# KiCad board RoRo60HS.kicad_pcb (continued)
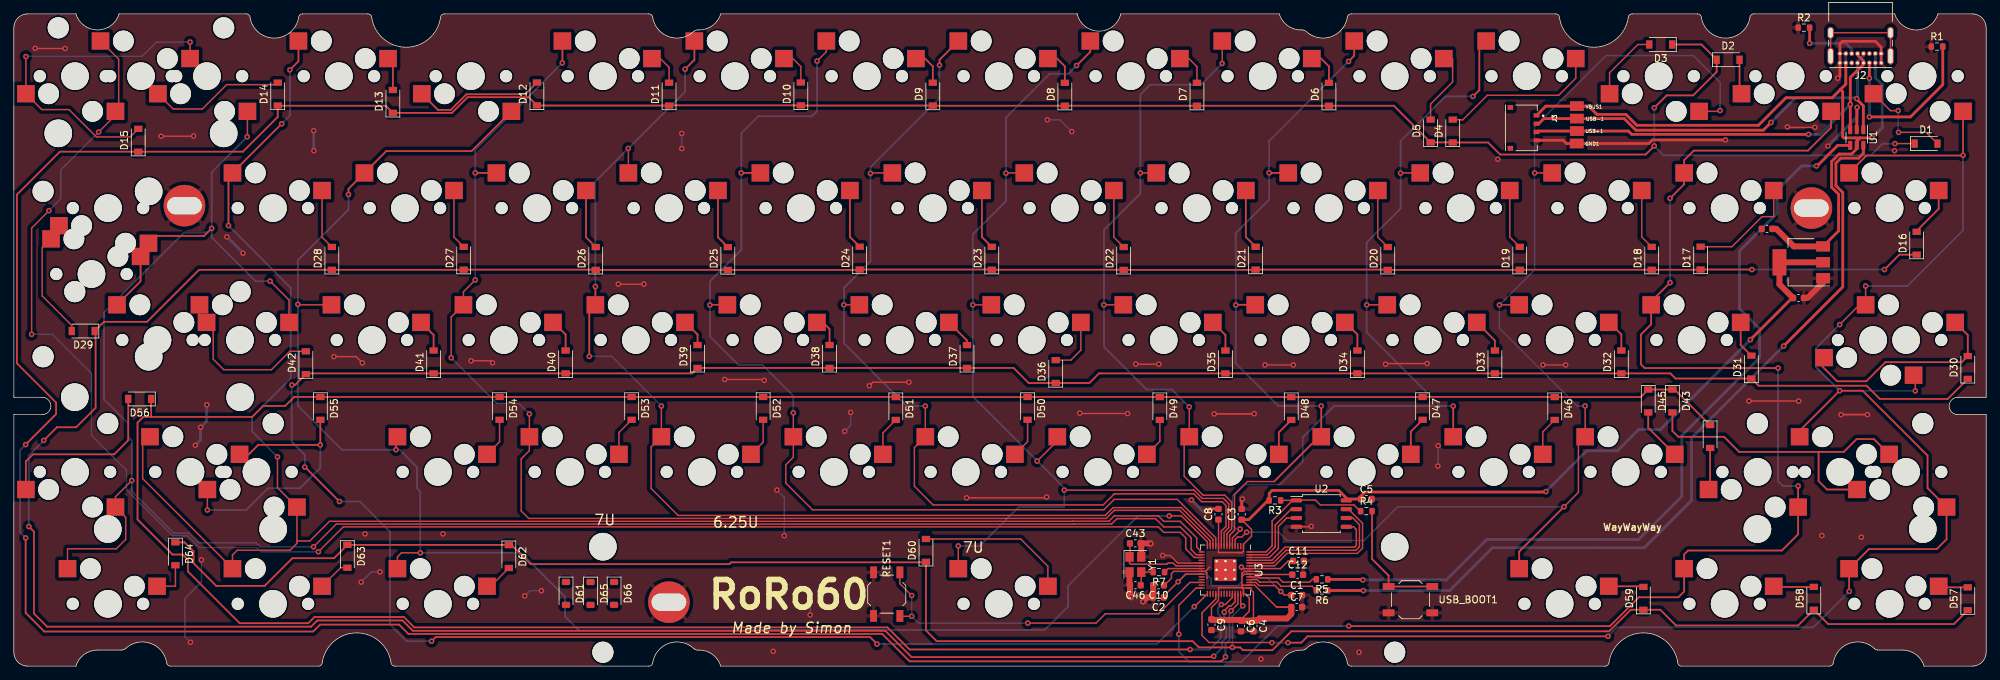
[diagram p0: board, top side]
## Nets (continued)
Net-(D60-A): D60.2 MX74.1
Net-(D62-A): D62.2 MX75.1
Net-(D63-A): D63.2 MX76.1
Net-(D64-A): D64.2 MX77.1
Net-(J2-CC1): J2.A5 R1.2
Net-(J2-CC2): J2.B5 R2.2
Net-(J3-SHIELD-PadS1): J3.S1 J3.S2
Net-(U3-USB_DM): R6.2 U3.46
Net-(U3-USB_DP): R5.2 U3.47
Net-(USB_BOOT1-B): R4.2 USB_BOOT1.2

Pads without a net: D61 1 2; D65 1 2; D66 1 2; J2 A8 B8 S1; U3 2 3 30 31 34 35 36 37

## Via types
v1: diameter 0.8, hole 0.4, Top to Bottom, 205 vias

## Routing (per net, layer and track width the routed paths; a pad name or vN(x,y) marks a point on that pad's centre or on a via; arc(x,y) is an arc through that point)
+1V1: length 42.2
  Top w0.2: v1(177.2,14.3) 177.41,14.09 U3.50 182.84,14.09 183.95,15.19 C11.1 ; U3.23 169.16,13.29 v1(168.06,12.19) 166.01,10.14 C2.1 ; U3.45 179.28,12.09 179.73,11.63 182.03,11.63 v1(182.88,10.78) 183.38,10.28 184.46,10.28
  Bottom w0.2: v1(182.88,10.78) 180.93,12.73 178.77,12.73 v1(177.2,14.3) 177.2,12.1 176.7,11.6 173,11.6 172.8,11.8 172.8,12.65 172.15,13.3 169.17,13.3 v1(168.06,12.19)
+3V3: length 185.1
  Top w0.2: 171.99,13.69 U3.22 167.43,13.69 167.1,13.36 167.1,12.7 166.08,11.68 C10.1 ; 171.99,13.69 172.63,14.33 ; 171.99,13.69 172.2,13.48 172.2,12.8 172.3,12.7 ; C8.1 173.9,21.15 U3.10 173.9,16.39 176.69,16.39 ; 177.27,11.73 177.27,11.33 ; 177.27,11.73 177.27,12.93 ; 177.27,11.73 177.31,11.69 U3.44 179.11,11.69 182.27,8.53 ; 177.27,11.33 173.93,11.33 173.9,11.29 U3.33 173.9,9.48 172.87,8.46 C9.1 ; 177.27,11.33 177.31,11.29 ; 179.98,13.29 179.58,13.69 U3.49 177.59,13.69 177.27,13.37 177.27,12.93 ; 179.98,13.29 180.03,13.23 184.56,13.23 ; 179.98,13.29 U3.48 177.62,13.29 177.27,12.93 ; 177.11,16.39 176.69,16.39 ; 176.69,16.39 177.3,16.39 177.5,16.59 U3.1 177.5,17.6 178.66,18.76 178.66,19.73 C3.1 ; 177.31,11.29 177.5,11.1 U3.42 177.72,10.45 178.33,9.83 178.33,7.93 177.13,6.73 C6.1 ; 177.31,11.29 U3.43 178.93,10.69 C4.1
  Top w0.25: 182.27,8.53 184.46,8.53
  Top w0.4: v1(250.67,47.15) 256.69,53.17 C45.1 ; 181.03,23.93 178.26,21.16 C3.1 ; v1(221.15,25.21) 221.02,25.21 220.95,25.14 195.05,25.14 194.46,24.56 C5.1 192.53,24.13 U2.8 192.33,24.28 191.23,25.38 181.63,25.38 181.21,24.96 R3.2
  Top w0.85: C7.1 184.41,7.53 183.77,6.89 179.8,6.89 179.49,6.58 C4.1 C6.1 177.03,6.68 172.95,6.68 C9.1 ; U4.2 U4.2 254.86,55.14 C45.1
  Bottom w0.4: v1(221.15,25.21) 227.04,31.1 231.47,31.1 234.52,34.16 237.67,34.16 v1(250.67,47.15)
GND: length 223
  Top w0.2: v1(90.95,55.17) 90.94,55.16 v1(87.25,55.16) ; v1(224,43.5) 220.73,43.5 v1(220.72,43.5) ; v1(66,44.1) 68.8,44.1 v1(69.1,43.8) ; v1(259.97,77.8) 256.08,77.8 v1(256.01,77.87) ; v1(184.7,43.5) v1(180.6,43.5) ; v1(21.25,76.52) 25.91,76.52 v1(25.94,76.55) ; v1(161.93,43.62) 161.96,43.6 165.27,43.6 v1(165.27,43.6) ; R2.1 257.58,92.2 ; v1(123.5,40.5) 124,41 v1(129.2,41) ; v1(50.3,43.8) 49.4,44.7 v1(46.2,44.7) ; v1(187.28,20.18) 187.23,20.13 U2.4 ; v1(137.53,24.31) 148.97,24.31 v1(149.08,24.42) ; v1(250.46,38.28) v1(257.64,38.28) ; v1(108.32,41.27) 108.2,41.4 v1(102.6,41.4) ; v1(153.85,36.53) 153.91,36.48 v1(160.77,36.48) ; v1(3.08,89.21) 3.1,89.19 v1(7.4,89.19) ; 263.76,36.32 v1(263.75,36.32) ; U3.19 168.01,14.89 166.91,15.98 v1(165.83,15.98) ; 179.01,36.43 v1(179.04,36.45) ; v1(198,43.6) 198.1,43.7 v1(204,43.7)
  Top w0.25: v1(267.57,36.32) 263.76,36.32 ; v1(173.27,36.43) 179.01,36.43
  Top w0.4: v1(263.27,84.9) 263.59,85.22 J2.A12 J2.B1 263.59,89.89 263.94,90.23 268.7,90.23 269.54,89.39 J2.B12 J2.A1 ; v1(177.33,24.13) 177.23,24.03 C3.2 ; v1(172.26,22.37) 172.59,22.71 C8.2 ; U1.2 266.02,80.64 v1(266.07,80.69) ; v1(247.07,76) 236.53,76 236.01,75.47 224.11,75.47 223.65,75.93 J3.4
  Top w0.85: 258.91,53.17 261.16,55.42 U4.1 ; v1(161.24,9.93) 161.11,10.06 C46.2 161.04,11.75 Y1.2 ; C10.2 C2.2 163.6,9.93 v1(163,9.32) ; Y1.4 162.74,17.65 C43.2 164.07,17.73 v1(164.1,17.7)
  Bottom w0.2: v1(119.93,33.91) 120.79,34.77 v1(120.79,36.64) ; v1(52.85,13.62) 51.62,13.62 v1(50.13,12.13) ; v1(111.2,18.83) 111.22,18.85 111.22,24.36 v1(110.14,25.44) ; v1(76.15,10.89) 74.5,10.89 v1(73.75,10.14) ; v1(152.7,77.2) 151,78.9 v1(149.2,78.9) ; v1(205.61,31.84) 205.61,28.95 v1(205.56,28.9) ; v1(27.08,15.35) 27.08,12.17 24.7,9.79 24.7,4.24 v1(25.49,3.44) ; v1(114.85,9.75) 114.95,9.65 v1(114.95,7.4)
  Bottom w0.25: v1(96.4,76.92) v1(96.4,74.74)
  Bottom w0.4: v1(43.3,74.43) 43.28,74.45 v1(43.28,77.33) ; v1(261.85,75.11) 261.86,75.11 265.85,79.1 265.85,79.1 266.07,79.32 v1(266.07,80.69) ; v1(27.85,37.75) 27.85,35.4 v1(26.95,34.5) 26.95,32.65 v1(26.2,31.9) ; v1(33.07,59.63) 33.07,59.68 v1(30.75,62) ; v1(172.26,22.37) 171.62,22.37 v1(169.99,24)
  vias: v1(50.69,19.1) v1(61.95,19.1) v1(109.61,2.14) v1(180.01,1.02) v1(194.18,2) v1(214.2,73.2) v1(260.99,18.85) v1(266.68,18.62) v1(271.47,74.44)
VBUS: length 106.4
  Top w0.2: 266.02,75.78 266.11,75.87 266.11,75.92 265.75,76.28
  Top w0.4: 266.52,76.28 266.11,75.87 ; 266.52,76.28 264.17,76.28 263.99,76.47 263.99,82.97 263.68,83.28 ; 266.52,76.28 v1(268.23,76.28) ; U4.3 263.4,62.86 263.4,68.15 262.4,69.15 262.4,72.88 263.47,73.96 265.27,73.96 266.02,74.71 U1.5 266.02,75.78 ; J3.1 221.14,80.87 227.31,80.87 228.51,79.67 232.71,79.67 234.28,78.1 251.83,78.1 255.81,82.08 262.49,82.08 263.68,83.28 ; 263.68,83.28 264.44,84.04 J2.A9
  Top w0.85: C44.1 254.4,63.15 256.94,60.62 U4.3
  Bottom w0.4: J2.A9 J2.B4 ; J2.B9 J2.A4 268.69,85.01 269.69,84.01 269.69,77.74 v1(268.23,76.28)
/QSPICLK: length 22.4
  Top w0.2: U3.52 181.79,14.89 183.63,16.73 193.73,16.73 194.23,17.23 194.23,20.43 193.27,21.4 U2.6
/QSPISD0: length 20.3
  Top w0.2: U3.53 181.59,15.29 183.48,17.18 193.53,17.18 193.78,17.43 193.78,19.73 193.39,20.13 U2.5
/QSPISD2: length 11
  Top w0.2: U2.3 183.75,21.4 182.53,20.18 182.53,16.98 181.24,15.69 U3.54
/QSPISD3: length 24.2
  Top w0.2: U3.51 181.99,14.49 183.78,16.28 193.93,16.28 194.68,17.03 194.68,20.63 192.65,22.67 U2.7
/QSPISS: length 24.2
  Top w0.2: U2.1 184.59,23.94 181.63,20.98 181.63,17.38 180.74,16.49 U3.56 ; U2.1 185.18,23.98 187.88,23.98 188.58,23.28 193.43,23.28 194.33,22.38 R4.1 ; U2.1 182.86,23.94 R3.1
/RESET: length 53.5
  Top w0.2: RESET1.2 127.9,11.9 v1(129.6,10.2) ; v1(146.36,6.21) 156.21,6.21 157.56,7.57 165.24,7.57 169.76,12.09 U3.26 ; RESET1.2 127.95,7.2 v1(129.6,7.2)
  Bottom w0.2: v1(129.6,10.2) v1(129.6,7.2) 130.6,6.2 146.35,6.2 v1(146.36,6.21)
/SQPISD1: length 11.4
  Top w0.2: U2.2 184.37,22.67 182.08,20.38 182.08,17.23 180.94,16.09 U3.55
/USB+: length 59.5
  Top w0.4: J2.B6 266.14,88.25 266.99,87.4 J2.A6 266.99,86.9 266.46,86.36 266.44,86.36 265.09,85.01 v1(265.09,81.12) 265.09,77.5 U1.3 ; J3.3 219.94,77.27 233.06,77.27 233.54,76.79 v1(259.05,76.79)
  Bottom w0.4: v1(259.05,76.79) 260.77,76.79 v1(265.09,81.12)
/USB-: length 62.6
  Top w0.4: v1(253.64,78.51) 252.52,77.39 234.14,77.39 232.46,79.07 220.86,79.07 220.12,78.33 J3.2 ; U1.1 266.97,80.92 266.01,81.88 v1(266.01,81.96)
  Bottom w0.2: J2.A7 266.14,87.39 266.99,88.24 J2.B7
  Bottom w0.4: 266.09,82.03 266.14,82.09 J2.A7 266.14,87.32 266.99,88.17 J2.B7 ; 266.08,82.02 266.04,82.07 257.18,82.07 253.64,78.53 v1(253.64,78.51)
/XIN: length 13.6
  Top w0.2: U3.20 167.75,14.49 167.34,14.9 166.61,14.9 166.44,14.72 161.19,14.72 161.04,14.87 Y1.1 161.11,15.85 C43.1
/XOUT: length 5.6
  Top w0.2: U3.21 166.62,14.09 R7.1
COL0: length 247
  Top w0.2: v1(267.3,54.89) MX32.2 266.41,52.18 v1(263.55,49.32) ; U3.32 173.5,9.7 171.51,7.71 171.51,4.43 172.54,3.41 181.59,3.41 v1(181.6,3.39) ; MX71.2 264.95,14.08 ; 274.47,42.01 v1(274.47,39.75) ; 281.36,73.78 v1(281.36,73.77)
  Top w0.25: MX1.2 281.36,73.78 ; 264.95,14.08 267.77,16.9 277.56,16.9 278.99,18.33 MX47.2 276.24,25.71 276.24,30.4 266.87,39.77 v1(263.55,39.77) 257.78,34 MX48.2 ; v1(183.92,3.39) 185.83,3.39 186.75,4.31 v1(230.12,4.31) ; MX71.2 264.92,10.79 ; MX18.2 267.43,73.73 281.38,73.73
  Bottom w0.2: v1(263.55,39.77) 274.45,39.77 v1(274.47,39.75)
  Bottom w0.25: v1(264.94,10.8) 259.74,5.6 231.42,5.6 230.13,4.31 v1(230.12,4.31) ; v1(263.55,49.32) 260.16,45.93 260.16,43.16 v1(263.55,39.77) ; v1(267.3,54.89) 273.32,54.89 281.36,62.94 v1(281.36,73.77) ; v1(183.92,3.39) v1(181.6,3.39)
COL1: length 215.9
  Top w0.2: U3.28 170.67,11.29 168.16,8.78 v1(168.16,4.61) ; v1(257.56,26.01) 257.55,26.01
  Top w0.25: v1(239.07,67.55) 241.11,69.59 MX19.2 241.11,73.06 242.5,74.45 258.98,74.45 262.32,77.79 MX2.2 ; v1(239.07,55.38) 236.35,52.66 MX35.2 236.35,49.37 234.87,47.89 234.87,43.59 235.41,43.04 v1(254.66,43.04) ; v1(192.69,5.79) 192.7,5.77 230.39,5.77 234.57,9.95 240.28,9.95 241.11,10.78 MX72.2 241.11,16.14 241.66,16.69 255.21,16.69 257.55,19.04 MX49.2 v1(257.56,26.01)
  Bottom w0.25: v1(239.07,55.38) v1(239.07,67.55) ; v1(254.66,43.04) 254.66,26.72 255.36,26.01 v1(257.56,26.01) ; v1(168.16,4.61) 168.15,4.6 168.15,2.13 169.65,0.63 169.66,0.64 177.23,0.64 182.38,5.79 v1(192.69,5.79)
COL2: length 172.2
  Top w0.2: MX36.2 214.46,52.18 ; v1(223.77,23.02) 225.84,25.09 225.84,32.15 MX50.2 v1(226.81,37.58) 226.82,37.54 ; MX3.2 246.18,80.12 v1(246.29,80.23) ; v1(177.95,19.34) 177.26,18.65 176.65,18.65 176.3,18.3 U3.4 ; MX20.2 v1(219.53,71.23)
  Top w0.25: v1(223.77,23.02) 217.3,16.55 MX73.2
  Bottom w0.2: v1(246.29,80.23) 246.29,84.3 242.43,88.16 229.79,88.16 219.51,77.88 219.51,57.23 v1(214.44,52.16) 214.44,48.8 225.65,37.58 v1(226.81,37.58) ; v1(223.77,23.02) 223.76,23.01 199.77,23.01 194.9,18.14 183.81,18.14 182.61,19.34 v1(177.95,19.34)
COL3: length 126.5
  Top w0.2: v1(210.62,82.27) 210.63,82.26 ; MX4.2 211.54,89.29 ; MX37.2 v1(195.28,52.17) 195.27,52.18 ; v1(177.01,19.8) 177.01,19.62 175.9,18.51 U3.5 ; MX21.2 200.2,71.23 ; 207.77,37.55 v1(207.77,37.55)
  Top w0.25: v1(210.62,82.27) 211.54,83.19 211.54,89.29 ; MX51.2 207.77,37.55
  Bottom w0.2: v1(177.01,19.8) 176.42,19.8 175.92,20.3 175.92,24.59 177.57,26.24 182.81,26.24 186.05,29.48 186.05,33.04
  Bottom w0.25: v1(210.62,82.27) 206.62,82.27 200.17,75.82 v1(200.17,71.19) 200.17,66.09 195.27,61.19 195.27,48.21 205.93,37.55 v1(207.77,37.55) 190.56,37.55 186.05,33.04
COL4: length 102.2
  Top w0.2: U3.6 175.5,17.86 175.49,18.91 176.03,19.45 176.04,19.45 176.2,19.61 176.2,24.78 178.08,26.66 181.92,26.66
  Top w0.25: MX38.2 176.41,52.18 ; 192.65,87.32 193.48,88.16 MX5.2 ; MX22.2 181.21,71.23 ; v1(188.72,37.56) MX52.2 188.39,33.13 181.92,26.66
  Bottom w0.25: v1(192.66,87.32) 181.2,75.86 v1(181.2,71.23) 181.2,67.37 176.36,62.53 v1(176.38,52.16) 176.36,43.74 182.54,37.56 v1(188.72,37.56)
COL5: length 101.9
  Top w0.2: U3.7 175.1,19.14 175.78,19.82 175.78,23.71 174.8,24.69 171.67,24.69 168.93,27.42 168.93,32.39 MX53.2 v1(169.67,37.43) ; MX6.2 174.43,87.03 ; MX23.2 162.61,71.23 ; MX39.2 v1(157.34,52.18)
  Bottom w0.25: 174.41,87.02 v1(174.41,87.03) 174.08,86.69 171.34,83.95 164.02,83.95 162.61,82.54 v1(162.61,71.22) 162.61,68.25 157.36,63 157.36,46.11 163.52,39.96 167.15,39.96 v1(169.67,37.43)
COL6: length 143.3
  Top w0.2: MX54.2 150.62,32.52 v1(147.71,29.61) ; MX24.2 143.2,71.23 ; MX40.2 v1(138.42,52.18) ; U3.8 174.7,19.32 175.37,19.99 175.37,23.46 174.6,24.22 171.55,24.22 170.36,25.41 151.93,25.41 151.92,25.42 v1(151.63,25.42) ; v1(136.33,17.36) 136.33,14.07
  Top w0.25: 153.45,86.78 155.38,88.72 MX7.2
  Bottom w0.25: 153.46,86.79 153.46,86.79 v1(153.4,86.73) 152.21,85.54 149.53,85.54 143.2,79.21 v1(143.2,71.19) 143.2,67.13 138.42,62.35 138.42,38.94 151.63,25.73 v1(151.63,25.42) 151.63,23.04 151.54,22.95 145.01,22.95 139.42,17.36 v1(136.33,17.36)
COL7: length 137.2
  Top w0.2: MX41.2 v1(119.81,52.18) ; v1(131.57,37.56) MX55.2 129.99,31.55 129.99,25.97 132.68,23.29 157.26,23.29 158.84,24.87 170.33,24.87 171.46,23.75 174.41,23.75 174.97,23.19 174.97,20.17 174.3,19.5 U3.9 ; MX25.2 123.65,71.23
  Top w0.25: v1(133.62,86.79) 133.62,87.57 MX8.2
  Bottom w0.25: v1(131.57,37.56) 128.88,37.56 119.82,46.62 119.82,54.63 123.65,58.46 v1(123.65,71.16) 123.65,72.06 133.62,82.02 v1(133.62,86.79)
COL8: length 155.9
  Top w0.2: MX42.2 100.44,52.18 ; v1(115.94,87.38) 117.28,88.73 MX9.2 ; U3.11 173.5,18.53 167.95,24.08 158.84,24.08 157.34,22.58 115.29,22.58 111.42,26.45 111.42,29.07 112.52,30.17 MX56.2 v1(112.52,36.58)
  Top w0.25: MX26.2 v1(104.99,71.23)
  Bottom w0.25: 100.49,55.59 105.02,60.12 105.02,76.97 107.45,79.4 115.2,79.4 115.94,80.14 v1(115.94,87.38) ; 100.47,55.54 v1(100.47,52.15) 100.47,47.62 104.62,43.47 108.08,43.47 112.52,39.04 v1(112.52,36.58)
COL9: length 167.3
  Top w0.2: v1(88.69,74.76) 88.71,74.75 MX27.2 ; v1(93.47,37.56) MX57.2 91.99,31.65 91.99,25.65 95.88,21.76 157.55,21.76 158.68,22.89 168.5,22.89 173.1,18.3 U3.12
  Top w0.25: v1(83.95,54.82) MX43.2 83.06,51.3 v1(83.06,44.73) ; MX10.2 98.23,87.55 v1(96.89,86.21)
  Bottom w0.2: v1(93.47,37.56) 86.3,44.73 v1(83.06,44.73)
  Bottom w0.25: v1(83.95,54.82) 83.95,70.02 v1(88.69,74.76) 88.71,74.76 96.89,82.94 v1(96.89,86.21)
COL10: length 187.6
  Top w0.2: v1(79.17,87.12) 79.18,87.14 ; U3.13 172.7,18.1 168.3,22.49 158.84,22.49 157.68,21.33 74.32,21.33 73.24,22.41 73.24,29.94 74.41,31.11 74.41,33.12 MX58.2 v1(74.42,36.42) 74.42,36.43 ; v1(66.6,55.77) 64.9,54.07 MX44.2 63.13,50.42 v1(63.13,44.53)
  Top w0.25: MX28.2 66.61,71.23 ; 79.18,87.14 MX11.2
  Bottom w0.2: v1(63.13,44.53) 69.73,37.93 72.91,37.93 v1(74.42,36.42) ; v1(66.6,55.77) v1(66.6,71.23)
  Bottom w0.25: v1(79.17,87.12) 66.6,74.55 v1(66.6,71.23) ; 74.42,36.45 v1(74.42,36.42)
COL11: length 238.7
  Top w0.2: v1(166.78,21.7) 168.53,21.7 172.3,17.94 U3.14 ; v1(58.67,16.36) 55.94,16.36 55.37,15.79 MX75.2 ; MX45.2 41.05,52.18 v1(40.99,52.24)
  Top w0.25: MX12.2 66.08,74.38 53.76,74.38 MX29.2 48.3,68.92 v1(48.3,68.1) ; v1(55.16,31.25) 55.16,32.92 MX59.2
  Bottom w0.25: v1(166.78,21.7) 162.29,21.7 152.18,11.59 152.18,8.61 148.8,5.23 106.72,5.23 106.63,5.14 81.59,5.14 79.55,7.18 79.55,10.03 73.21,16.36 v1(58.67,16.36) 58.67,25.21 58.21,25.67 58.21,28.71 55.67,31.25 v1(55.16,31.25) 47.39,31.25 40.99,37.65 v1(40.99,52.24) 40.99,58.61 48.3,65.93 v1(48.3,68.1)
COL12: length 257.3
  Top w0.2: 40.86,18.08 40.87,18.08 42.72,18.08 45.56,20.91 152.82,20.91 152.83,20.93 158.07,20.93 158.84,21.7 165.19,21.7 165.99,20.91 168.37,20.91 170.75,18.52 170.75,17.2 U3.15 ; 40.86,18.08 40.86,17.74 39.87,16.74 32.25,16.74 31.56,16.05 MX76.2 31.56,14.12 18.59,27.08 18.59,32.07 MX62.2 ; 40.86,18.08 MX60.2 38.05,25.78 v1(38.05,30.21)
  Top w0.25: v1(39.84,86.11) 41.08,87.35 MX13.2 ; v1(30.98,63.62) 30.98,70.65 MX30.2 v1(38.65,78.32)
  Bottom w0.25: v1(39.84,86.11) 39.84,79.51 v1(38.65,78.32) ; v1(38.05,30.21) 34.4,33.87 34.4,35.99 39.96,41.54 39.96,54.65 v1(30.98,63.62)
COL13: length 292.8
  Top w0.2: v1(17.01,26.8) 14.67,24.46 MX61.2 16.14,21.49 16.14,18.29 14.79,16.94 7.75,16.94 MX77.2 ; v1(36.99,55.6) 39.72,52.87 MX17.1 ; MX14.2 33.72,76.48 v1(33.68,76.44) ; U3.16 170.69,16.09 169.96,16.83 169.96,18.52 168.37,20.11 165.99,20.11 164.8,21.3 159.24,21.3 158.47,20.53 153,20.53 152.99,20.51 46.54,20.51 v1(43.26,17.23) ; MX33.1 18.29,59.93
  Top w0.25: MX33.1 18.29,55.58 MX46.2 ; 7.75,15 MX77.2 ; 18.29,59.93 MX31.2 20.48,62.12 27.45,62.12 v1(28.55,63.22)
  Bottom w0.2: v1(43.26,17.23) 35.54,17.23 34.95,17.82 26.65,17.82 25.25,19.22 23.08,19.22 17.01,25.29 17.01,32.58 16.57,33.02 16.56,33.02 16.42,33.15 16.42,35.12 13.01,38.53
  Bottom w0.25: v1(28.55,63.22) 28.55,61.92 34.89,55.58 36.93,55.58 v1(36.99,55.6) 36.97,55.58 36.95,55.58 ; v1(28.55,63.22) 28.55,71.31 v1(33.68,76.44) ; v1(28.55,63.22) 27.95,62.62 24.57,62.62 13.01,51.06 13.01,38.53 ; v1(28.55,63.22) 28.56,63.22
COL14: length 241.7
  Top w0.2: U3.17 170.41,15.69 169.16,16.94 169.16,18.52 168.37,19.32 165.99,19.32 165.19,20.11 47.55,20.11 v1(43.96,16.52) ; v1(2.56,47.91) 2.56,63.26 5.06,65.76 v1(5.06,65.78) ; MX16.2 15.13,87.66 15.13,80.58 MX15.2 14.67,79.56 v1(12.23,77.12)
  Bottom w0.2: v1(5.06,65.78) 6.78,67.5 6.78,71.67 v1(12.23,77.12) ; v1(2.56,47.91) 5.58,47.91 11.21,42.29 11.21,33.33 16.26,28.27 16.26,25.47 22.91,18.82 25.08,18.82 26.79,17.12 35.09,17.12 35.68,16.52 v1(43.96,16.52)
Data+: length 121.7
  Top w0.4: v1(260.2,72.23) 260.31,72.23 261.49,73.41 261.49,73.42 263.28,75.21 U1.4 ; R5.1 194.65,12.53 v1(194.73,12.45)
  Bottom w0.4: v1(194.73,12.45) 206.77,12.45 212.62,18.3 234.53,18.3 240.77,24.54 240.77,33.32 252,44.54 252,48.73 249.08,51.65 249.08,59.97 254.51,65.4 254.51,68.71 258.04,72.23 v1(260.2,72.23)
Data-: length 121.8
  Top w0.4: v1(255.46,46.23) 264,54.77 264,68.39 263.01,69.38 263.01,72.65 263.72,73.36 266.28,73.36 266.99,74.07 266.99,75.19 U1.6 ; v1(194.8,10.92) 189.67,10.92 R6.1
  Bottom w0.4: v1(194.8,10.92) 207.25,10.92 213.43,17.1 235.34,17.1 242.16,23.92 242.16,32.96 246.71,37.51 246.74,37.51 v1(255.46,46.23)
ROW0: length 565
  Top w0.2: U3.40 176.7,9 v1(175.7,8) ; v1(271.53,75.46) D1.1 ; D4.1 207.74,75.62
  Top w0.25: D12.1 74.32,82.16 65.5,82.16 63.24,79.9 D13.1 53.68,80.93 38.12,80.93 D14.1 38.09,79.32 33.06,74.29 D15.1 6.64,74.29 0.43,68.08 0.43,43.73 6.1,38.07 6.1,36.4 v1(1.7,32) ; D12.1 75.53,80.95 D11.1 94.61,80.98 D10.1 113.63,80.95 D9.1 132.67,80.93 D8.1 D7.1 D6.1 199.2,80.93 D5.1 207.73,75.63 207.74,75.62 212.8,75.62 214.54,73.88 235.55,73.88 v1(236.8,75.13) ; D12.1 75.45,80.93 ; D3.1 243.6,89.77 D2.1 245.8,85.82 242.4,82.42 238.58,82.42 v1(236.8,80.64) ; v1(1.7,18.52) 1.7,7.7 4.4,5 43.2,5 44.2,6 55.6,6 56.95,4.65 125.35,4.65 129.3,0.7 174.3,0.7 174.9,1.3 v1(174.9,1.36)
  Bottom w0.25: v1(271.53,75.46) 269.76,75.46 268.05,73.75 238.17,73.75 v1(236.8,75.13) v1(236.8,80.64) ; v1(1.7,18.52) 0.89,19.33 0.89,31.19 v1(1.7,32) ; v1(175.7,8) 175.48,7.78 175.48,3.78 174.9,3.2 v1(174.9,1.36)
ROW1: length 499.2
  Top w0.2: v1(174.72,7.78) 174.72,8.02 175.4,8.7 175.7,8.7 176.3,9.3 176.3,9.79 176.3,9.8 U3.39
  Top w0.25: v1(270.02,57.27) 272.17,59.42 D16.1 ; v1(2.16,20.16) 2.9,19.43 2.9,7.6 4.8,5.7 42.9,5.7 43.8,6.6 56.1,6.6 57.6,5.1 125.8,5.1 129.6,1.3 173.08,1.3 v1(173.2,1.42) ; v1(4.31,32.59) 6.22,34.5 9,34.5 11.8,37.3 11.8,48.53 12.99,49.72 19.22,49.72 26.73,57.23 D28.1 64.91,57.23 D27.1 83.96,57.25 D26.1 103.05,57.22 D25.1 122.03,57.21 D24.1 141.13,57.27 D23.1 160.18,57.24 D22.1 179.2,57.22 D21.1 198.28,57.26 D20.1 217.35,57.22 D19.1 D18.1 243.45,57.24 D17.1 v1(250.89,57.27)
  Bottom w0.2: 174.72,5.88 174.8,5.8
  Bottom w0.25: v1(250.89,57.27) v1(270.02,57.27) ; v1(4.31,32.59) 2.15,30.43 2.15,20.18 v1(2.16,20.16) ; v1(173.2,1.42) 174.4,2.62 174.4,3.5 175,4.1 175,5.6 ; 175,5.6 174.8,5.8 ; 175,5.6 174.72,5.88 v1(174.72,7.78)
ROW2: length 412
  Top w0.2: v1(170.4,8.6) 170.44,8.6 U3.29
  Top w0.25: D30.1 279.16,38.59 269.35,38.59 267.44,40.5 251.85,40.5 D31.1 239.87,41.53 239.13,42.27 D32.1 D33.1 D34.1 D35.1 156.64,42.27 155.25,40.89 D36.1 146.49,40.89 144.31,43.07 D37.1 D38.1 D39.1 97.9,42.27 D40.1 D41.1 42.26,42.27 40.59,40.6 v1(40.12,40.6) ; v1(124.6,3.19) 123.6,4.2 60.9,4.2 v1(60.3,3.6) ; v1(47,23.78) 42.03,28.75 v1(42,28.75)
  Bottom w0.25: v1(124.6,3.19) 124.61,3.2 164.99,3.2 170.39,8.6 v1(170.4,8.6) ; v1(40.12,40.6) 40.1,40.58 40.1,32.4 42,30.5 v1(42,28.75) ; v1(60.3,3.6) 56.7,3.6 54.3,6 54.3,19.41 49.94,23.78 v1(47,23.78)
ROW3: length 422.1
  Top w0.2: U3.38 175.9,9.92 174.88,8.9 v1(174.3,8.9)
  Top w0.25: D44.1 239.72,39.94 D43.1 D45.1 234.83,38.85 D46.1 222.4,38.87 D47.1 203.33,38.85 D48.1 D49.1 165.4,38.87 D50.1 146.31,38.85 D51.1 127.29,38.87 D52.1 D53.1 D54.1 D55.1 40.46,38.87 39.16,37.57 35.99,37.57 34.4,35.99 19.87,35.99 19.81,36.04 ; 19.81,36.04 D56.1 ; 19.81,36.04 19.76,35.99 18.68,35.99 17.85,35.16 17.85,21.17 22.91,16.11 24.38,16.11 25.12,15.37 25.12,13.67 32.59,6.2 42.5,6.2 43.4,7.1 56.3,7.1 57.8,5.6 126.1,5.6 129.3,2.4 169.8,2.4 v1(169.8,2.4)
  Bottom w0.25: v1(169.8,2.4) 172.6,2.4 174.2,4 174.2,7.2 173.8,7.6 173.8,8.4 v1(174.3,8.9)
ROW4: length 291.5
  Top w0.2: v1(177.4,8.7) 177.1,9 U3.41
  Top w0.25: D57.1 280.04,6.07 261.9,6.07 259.83,8.14 D58.1 257.55,5.86 239.94,5.86 237.66,8.14 D59.1 233.4,8.14 230.29,5.03 229.81,5.03 229.81,5.03 184.4,5.03 181.67,2.3 177.43,2.3 177.02,2.71 v1(175.9,2.71) 171.05,2.71 170.15,3.6 133.21,3.6 131.66,5.15 131.66,14.99 103.52,14.99 ; D64.1 24.64,17.87 25.93,16.58 25.93,14.87 29.21,11.59 36.2,11.59 40.19,15.58 46.21,15.58 D63.1 71.81,17.51 74.59,14.73 103.29,14.73 103.53,14.97
  Bottom w0.2: v1(177.4,8.7) 175.9,7.2 v1(175.9,2.71)
Net-(C46-Pad1): length 3.7
  Top w0.2: C46.1 162.74,11.76 Y1.3 R7.2
Net-(D1-A): length 14.1
  Top w0.2: MX1.1 268.44,82.66 270.88,80.22 v1(272,80.22) 271.94,80.18 ; D1.2 276.05,77.08 v1(272.05,77.08)
  Bottom w0.2: v1(272,80.22) 272,77.08
Net-(D2-A): length 5
  Top w0.25: MX2.1 249.1,82.95 D2.2
Net-(D3-A): length 10.5
  Top w0.2: 230.34,82.65 MX3.1 230.34,85.69 234.42,89.77 D3.2
Net-(D4-A): length 23.1
  Top w0.2: MX4.1 225.46,84.9 222.99,82.43 212.67,82.43 212.67,82.42 209.16,78.9 208.93,78.9 208.91,78.92 D4.2
Net-(D5-A): length 11.4
  Top w0.2: MX5.1 207.62,87.74 207.68,87.67 207.68,84.35 204.5,81.17 D5.2
Net-(D6-A): length 5.3
  Top w0.25: MX6.1 188.71,87.74 189.83,86.61 D6.2
Net-(D7-A): length 5.3
  Top w0.2: MX7.1 169.61,87.74 170.78,86.56 D7.2
Net-(D8-A): length 5.3
  Top w0.25: MX8.1 150.6,87.74 151.71,86.62 D8.2
Net-(D9-A): length 5.3
  Top w0.25: D9.2 132.65,86.61 131.53,87.74 MX9.1
Net-(D10-A): length 5.2
  Top w0.2: D10.2 113.6,86.59 112.46,87.74 MX10.1
Net-(D11-A): length 5.2
  Top w0.2: D11.2 94.58,86.47 93.32,87.74 MX11.1
Net-(D12-A): length 19.2
  Top w0.25: MX12.1 61.22,80.33 63.07,80.33 65.33,82.59 73.81,82.59 D12.2
Net-(D13-A): length 4.8
  Top w0.25: MX13.1 54.71,87.04 D13.2
Net-(D14-A): length 19.8
  Top w0.2: D14.2 37.8,83.97 30.72,83.97 27.21,80.46 22.99,80.46 MX14.1
Net-(D15-A): length 51.6
  Top w0.2: v1(25.43,90.12) 25.44,90.12 MX16.1 ; v1(1.74,88.03) 1.74,88.03 MX15.1 4.03,80.37 7.96,80.37 11.91,76.42 16.78,76.42 D15.2
  Bottom w0.2: v1(25.43,90.12) 20.56,90.12 18.5,88.06 1.77,88.06 v1(1.74,88.03)
Net-(D16-A): length 7.3
  Top w0.25: MX18.1 277.85,66.04 274.67,62.86 D16.2
Net-(D17-A): length 16.1
  Top w0.2: MX19.1 254.04,68.68 254.04,64.93 254.02,64.91 252.34,64.91 248,60.57 D17.2
Net-(D18-A): length 8.7
  Top w0.2: D18.2 234.99,61.98 MX20.1
Net-(D19-A): length 8.7
  Top w0.2: MX21.1 215.94,61.98 D19.2
Net-(D20-A): length 8.8
  Top w0.2: D20.2 196.89,61.96 MX22.1
Net-(D21-A): length 8.7
  Top w0.25: MX23.1 177.84,61.97 D21.2
Net-(D22-A): length 8.8
  Top w0.2: MX24.1 158.79,61.94 D22.2
Net-(D23-A): length 8.7
  Top w0.25: MX25.1 139.74,61.97 D23.2
Net-(D24-A): length 8.7
  Top w0.25: D24.2 120.69,61.98 MX26.1
Net-(D25-A): length 8.8
  Top w0.25: D25.2 101.64,61.94 MX27.1
Net-(D26-A): length 8.7
  Top w0.25: D26.2 82.59,61.93 MX28.1
Net-(D27-A): length 8.7
  Top w0.2: D27.2 63.54,61.95 MX29.1
Net-(D28-A): length 8.7
  Top w0.2: MX30.1 44.49,61.95 D28.2
Net-(D29-A): length 18
  Top w0.2: D29.2 8.36,49.19 4.09,53.46 4.09,60.43 MX33.2 5.36,62.47 MX31.1
Net-(D30-A): length 30.3
  Top w0.25: MX32.1 282.05,47.82 D30.2 281.16,43.89 270.15,43.89 267.4,41.14 263.18,41.14 261.02,43.3 261.02,44.55
Net-(D31-A): length 5.4
  Top w0.25: D31.2 249.27,46.37 MX35.1
Net-(D32-A): length 4.8
  Top w0.25: 230.3,49.64 232.04,47.89 D32.2
Net-(D33-A): length 5.1
  Top w0.25: D33.2 213.79,47.02 MX37.1
Net-(D34-A): length 4.8
  Top w0.25: 192.2,49.64 193.94,47.89 D34.2
Net-(D35-A): length 4.8
  Top w0.25: D35.2 174.89,47.82 MX39.1
Net-(D36-A): length 8.2
  Top w0.2: D36.2 152.57,44.19 154.02,45.64 MX40.1
Net-(D37-A): length 4.4
  Top w0.25: MX41.1 137.59,47.02 D37.2
Net-(D38-A): length 3.7
  Top w0.25: D38.2 117.74,48.69 116.79,49.64
Net-(D39-A): length 4
  Top w0.25: 96.95,49.64 98.69,47.89 D39.2
Net-(D40-A): length 4.8
  Top w0.25: 77.9,49.64 79.64,47.89 D40.2
Net-(D41-A): length 4.8
  Top w0.25: MX45.1 60.59,47.82 D41.2
Net-(D42-A): length 23.8
  Top w0.2: D42.2 39.83,45.46 37.18,42.81 30.29,42.81 28.78,44.33 28.78,48.67 MX46.1 26.8,50.66 MX17.2
Net-(D43-A): length 47.2
  Top w0.25: D43.2 239.41,33.96 240.25,33.12 246.86,33.12 249.04,30.94 260.47,30.94 ; 260.47,30.94 264.15,30.94 266,32.79 268.5,32.79 MX48.1 ; 260.47,30.94 260.51,30.9 260.51,26.72 261.73,25.51 MX47.1
Net-(D44-A): length 6.1
  Top w0.25: MX49.1 244.85,25.73 D44.2
Net-(D45-A): length 7.6
  Top w0.25: MX50.1 235.92,34.41 D45.2
Net-(D46-A): length 5.7
  Top w0.2: D46.2 220.7,33.83 MX51.1
Net-(D47-A): length 5.7
  Top w0.25: MX52.1 201.65,33.87 D47.2
Net-(D48-A): length 5.7
  Top w0.25: D48.2 182.6,33.76 MX53.1
Net-(D49-A): length 5.7
  Top w0.2: D49.2 165.42,32.46 MX54.1
Net-(D50-A): length 5.7
  Top w0.2: MX55.1 146.33,32.42 D50.2
Net-(D51-A): length 5.7
  Top w0.2: MX56.1 125.45,33.69 D51.2
Net-(D52-A): length 5.7
  Top w0.2: MX57.1 108.16,32.35 D52.2
Net-(D53-A): length 5.7
  Top w0.2: MX58.1 87.35,33.75 D53.2
Net-(D54-A): length 5.7
  Top w0.2: D54.2 70.11,32.4 MX59.1
Net-(D55-A): length 40.9
  Top w0.2: v1(27.93,22.55) 27.93,22.56 MX60.1
  Top w0.25: MX62.1 33.92,30.59 35.28,31.96 v1(44.24,31.96) D55.2
  Bottom w0.25: v1(44.24,31.96) 44.24,28.66 41.27,25.68 36.68,25.68 33.56,22.55 v1(27.93,22.55)
Net-(D56-A): length 26.1
  Top w0.25: MX61.1 1.74,29.58 2.75,30.59 14.48,30.59 16.51,32.62 D56.2
Net-(D57-A): length 4.3
  Top w0.25: D57.2 278.01,11.38 MX71.1
Net-(D58-A): length 5.8
  Top w0.25: MX72.1 254.13,11.44 D58.2
Net-(D59-A): length 5
  Top w0.25: D59.2 235.12,11.54 MX73.1
Net-(D60-A): length 22.1
  Top w0.2: D60.2 145.33,18.36 149.26,14.44 149.26,11.53
Net-(D62-A): length 4.2
  Top w0.2: MX75.1 68.82,11.54 D62.2
Net-(D63-A): length 4.8
  Top w0.2: D63.2 47.16,14.21 MX76.1
Net-(D64-A): length 5.7
  Top w0.2: MX77.1 23.32,11.54 D64.2
Net-(J2-CC1): length 25.8
  Top w0.4: v1(267.84,79.32) 273.77,79.32 278.44,83.98 R1.2 ; J2.A5 v1(267.84,84.9)
  Bottom w0.4: v1(267.84,84.9) v1(267.84,79.32)
Net-(J2-CC2): length 9.3
  Top w0.4: R2.2 259.22,89.95 v1(259.21,89.94)
  Bottom w0.4: v1(259.21,89.94) 259.23,89.96 264.43,89.96 265.29,89.1 J2.B5
Net-(U3-USB_DM): length 10.3
  Top w0.2: R6.2 187.41,11.53 182.93,11.53 182.33,12.13 179.83,12.13 179.48,12.49 U3.46
Net-(U3-USB_DP): length 10.2
  Top w0.2: R5.2 187.43,12.53 187.03,12.13 183.18,12.13 182.58,12.73 179.88,12.73 179.73,12.89 U3.47
Net-(USB_BOOT1-B): length 18.2
  Top w0.25: R4.2 196.06,15.46 198.45,13.07 USB_BOOT1.2 USB_BOOT1.2
unconnected-(J2-SHIELD-PadS1): length 15.4
  Top w0.2: J2.S1 J2.S1 J2.S1 J2.S1

## Copper pours and planes (outline as drawn; the poured copper is in the pictures)
+3V3 on Top: 172.1,13.63 172.99,13.89 172.99,15.79 177.69,15.79 177.69,16.68 172.1,16.68
+3V3 on Top: 172.1,11.09 177.56,11.09 177.56,11.73 172.48,11.73 172.48,12.87 172.1,13.25
GND on Top: 289.63,98.58 287.28,-4.4 -9.31,-6.5 -7.56,104.15
GND on Bottom: 287.37,97.48 285.78,-2.66 -3.27,-10.29 -8.33,104.76

## Text on the board
B.Silkscreen: 1.5U | 7U | 6.25U
F.Silkscreen: WayWayWay | 7U | 6.25U | Made by Simon | RoRo60
